# KiCad board crowkb_46.kicad_pcb (continued)
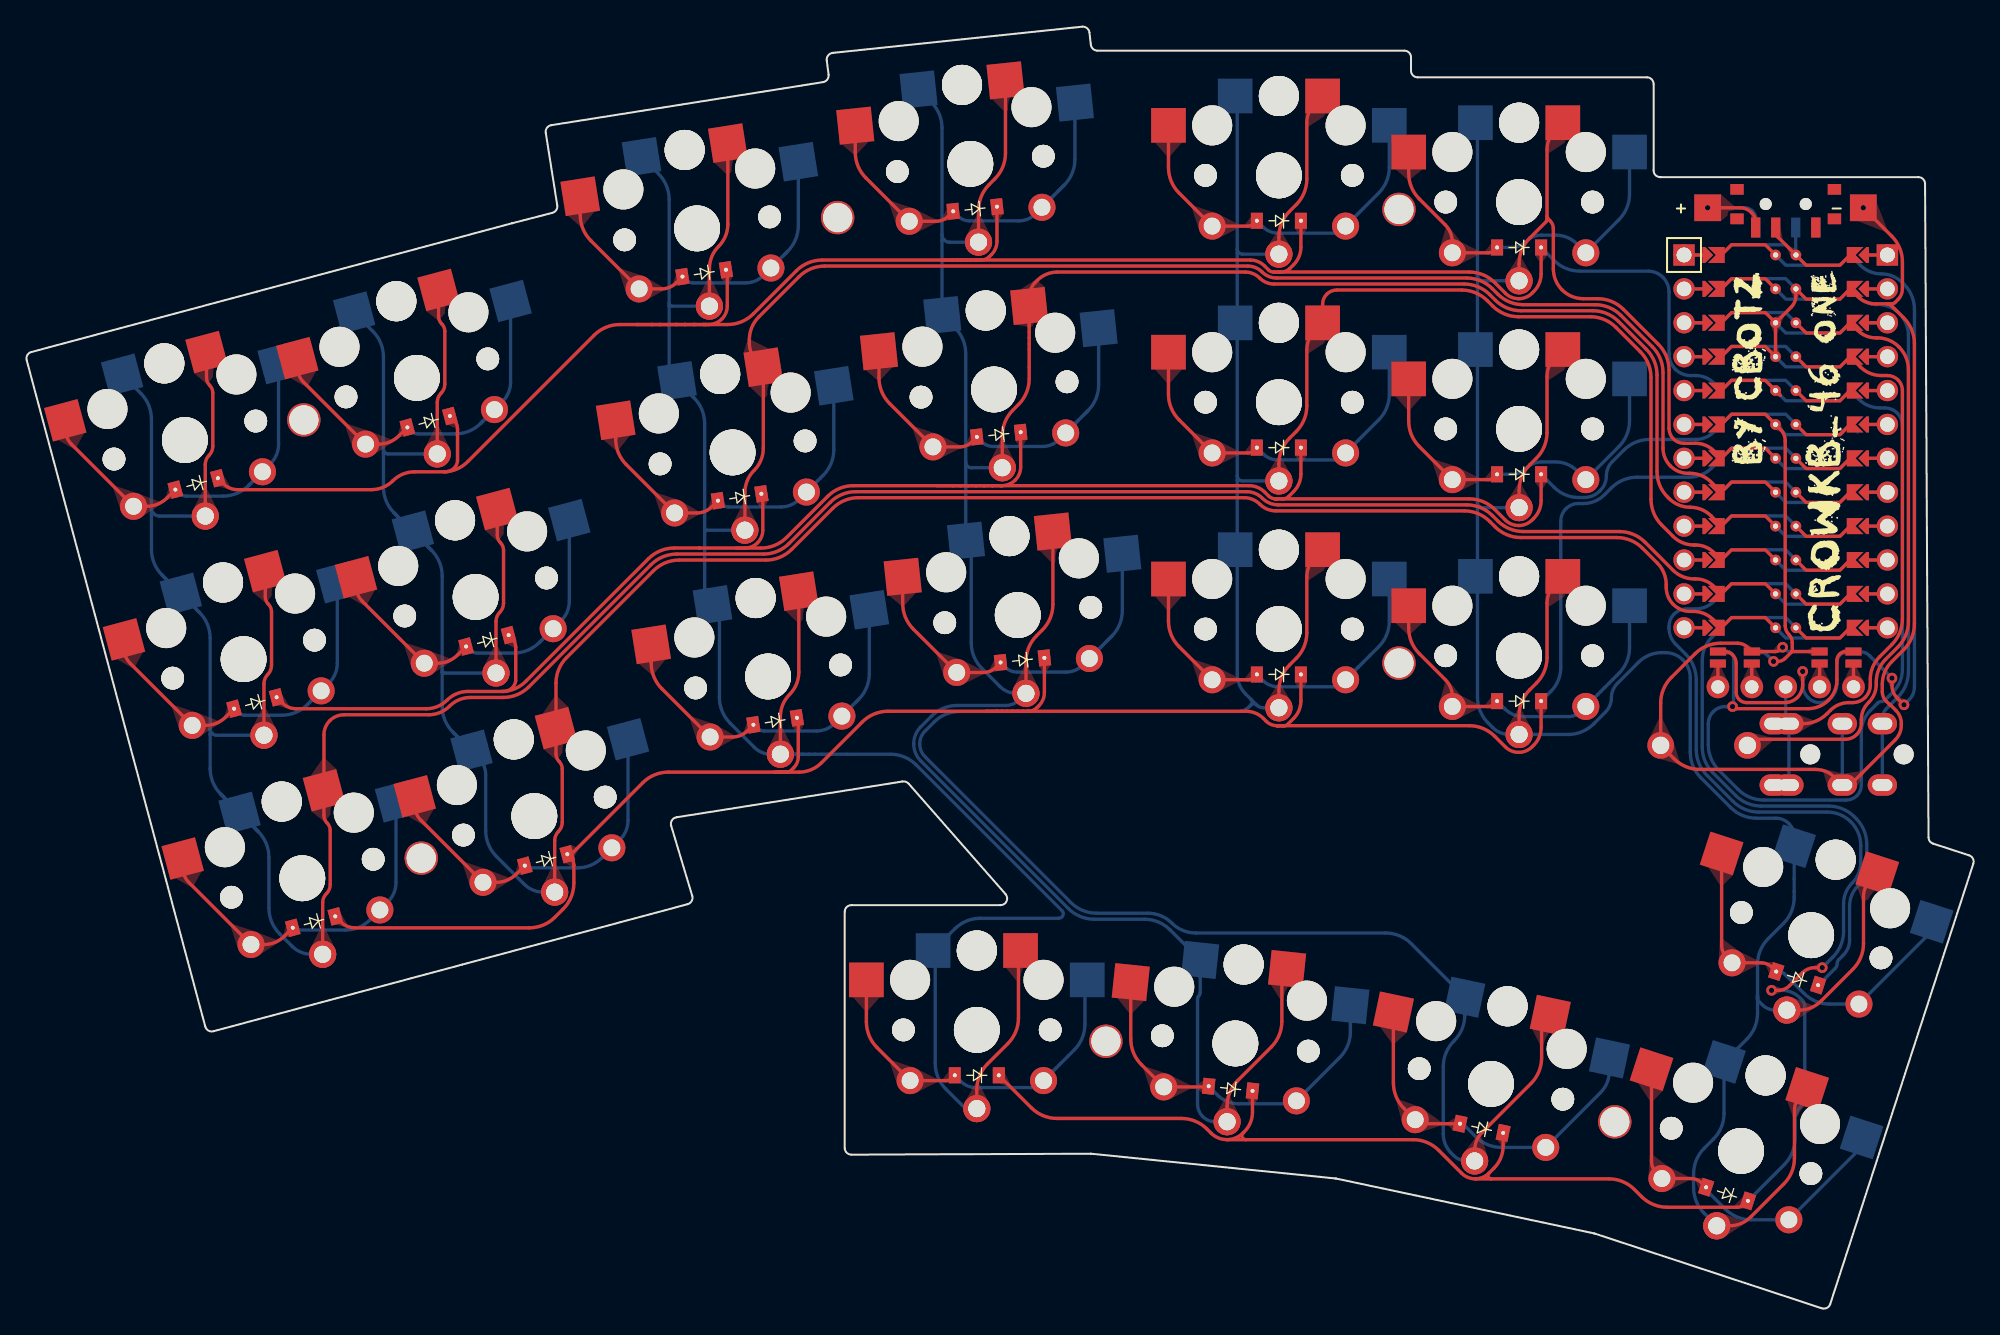
[diagram p0: board, top side]
## Routing (per net, layer and track width the routed paths; a pad name or vN(x,y) marks a point on that pad's centre or on a via; arc(x,y) is an arc through that point) (continued)
mod_bottom: length 27.7
  Top w0.25: _2.2 19.31,27.89 arc(18.62,27.43) 17.8,27.27 17.3,27.27 arc(16.84,27.36) 16.46,27.62 12.16,31.91 arc(11.81,32.43) 11.69,33.05 S1.2
  Bottom w0.25: _2.2 20.02,28.44 arc(20.12,28.37) 20.22,28.35 23.9,28.35 arc(24.88,28.55) 25.72,29.1 27.07,30.46 arc(27.52,31.13) 27.68,31.92 S1.2
mod_home: length 27.8
  Top w0.25: S2.2 7.29,49.47 arc(7.41,48.85) 7.76,48.33 11.74,44.35 arc(12.48,43.86) 13.35,43.69 13.4,43.69 arc(14.22,43.85) 14.91,44.31 _3.2
  Bottom w0.25: _3.2 15.78,44.7 arc(16.06,44.51) 16.38,44.45 19.11,44.45 arc(20.16,44.66) 21.04,45.25 S25.1 22.67,46.88 arc(23.12,47.55) 23.28,48.34 S2.2
mod_thumb: length 28.2
  Top w0.25: _20.2 69.35,17.27 arc(69.13,17.12) 68.87,17.07 S42.1 63.72,19.54 arc(63.13,20.43) 62.92,21.47 S19.2
  Bottom w0.25: _20.2 70.01,17 arc(70.52,16.66) 71.13,16.54 75.3,16.54 arc(75.65,16.61) 75.94,16.8 S42.1 78.5,19.37 arc(79.09,20.25) 79.3,21.29 79.3,24.32 arc(79.32,24.43) 79.39,24.53 S19.2
mod_top: length 27.8
  Top w0.25: S3.2 2.89,65.89 arc(3.01,65.28) 3.36,64.76 7.34,60.77 arc(8.08,60.28) 8.95,60.11 9,60.11 arc(9.82,60.27) 10.51,60.73 _4.2
  Bottom w0.25: S3.2 18.88,64.76 arc(18.72,63.97) 18.27,63.3 S26.1 16.64,61.67 arc(15.76,61.08) 14.71,60.87 11.98,60.87 arc(11.66,60.93) 11.38,61.12 _4.2
near_thumb: length 28
  Top w0.25: S20.2 82.73,20.19 arc(82.94,19.15) 83.53,18.26 S43.1 88.49,16.59 arc(88.53,16.6) 88.55,16.62 _21.2
  Bottom w0.25: _21.2 89.23,15.98 arc(89.96,15.5) 90.82,15.33 94.77,15.33 arc(94.91,15.36) 95.04,15.44 S43.1 98.4,18.8 arc(98.99,19.68) 99.19,20.72 S20.2
P0: length 40.4
  Bottom w0.25: _1.23 137.23,75.82 arc(137.88,75.38) 138.64,75.23 138.74,75.23 arc(139.59,75.06) 140.31,74.58 140.33,74.55 arc(140.84,73.8) 141.01,72.92 141.01,47.72 arc(140.8,46.67) 140.21,45.79 139.35,44.92 arc(139.13,44.6) 139.06,44.23 TRRS1.4 TRRS1.4
P1: length 62.4
  Top w0.25: DISP1.14 127.22,49.22 arc(127.56,49.15) 127.84,48.96 arc(128.03,48.68) 128.1,48.34 128.1,46.17 arc(128.16,45.88) 128.33,45.62 arc(128.58,45.46) 128.88,45.4 131.75,45.4 arc(132.26,45.5) 132.69,45.79 arc(132.98,46.22) 133.09,46.73 v1(133.09,47.73) ; v1(139.78,47.23) 139.78,46.68 arc(139.88,46.17) 140.17,45.74 v1(140.68,45.23)
  Bottom w0.25: v1(139.78,47.23) 138.1,48.91 arc(137.75,49.14) 137.34,49.22 136.49,49.22 arc(136.17,49.16) 135.9,48.98 arc(135.72,48.7) 135.65,48.38 135.65,46.78 arc(135.55,46.25) 135.25,45.8 135.19,45.74 arc(134.81,45.49) 134.36,45.4 arc(133.91,45.49) 133.53,45.74 133.48,45.79 arc(133.19,46.22) 133.09,46.73 v1(133.09,47.73) ; v1(140.68,45.23) 141.07,45.62 arc(141.36,46.06) 141.46,46.57 141.46,74.87 arc(141.26,75.88) 140.68,76.75 140.55,76.87 arc(139.83,77.36) 138.98,77.53 arc(138.13,77.7) 137.41,78.18 _1.24
P2: length 69.8
  Top w0.25: DISP1.17 136.32,49.22 arc(136.07,49.17) 135.85,49.02 arc(135.7,48.81) 135.65,48.55 135.65,47.1 arc(135.49,46.27) 135.02,45.57 arc(134.32,45.11) 133.49,44.94 128.1,44.94 arc(128,44.96) 127.91,45.02 v1(127.83,45.1) ; 131.42,68.42 _1.20
  Bottom w0.25: 126.9,49.22 127.06,49.22 ; v1(127.83,45.1) 127.87,45.14 arc(127.9,45.18) 127.91,45.24 127.91,48.72 arc(127.87,48.91) 127.76,49.07 arc(127.6,49.18) 127.41,49.22 DISP1.27 ; v1(127.83,45.1) 127.3,45.1 arc(126.81,45) 126.4,44.72 126.39,44.72 arc(126.11,44.3) 126.01,43.8 126.01,42.25 arc(126.22,41.21) 126.81,40.33 128.25,38.89 arc(129.13,38.3) 130.17,38.09 136.36,38.09 arc(136.79,38.18) 137.15,38.42 arc(137.4,38.79) 137.48,39.22 137.48,43.18 arc(137.66,44.06) 138.16,44.81 138.72,45.37 arc(138.84,45.45) 138.99,45.48 arc(139.14,45.51) 139.27,45.6 139.86,46.18 arc(140.38,46.96) 140.56,47.89 140.56,66.16 arc(140.46,66.67) 140.17,67.09 arc(139.75,67.38) 139.24,67.48 138.86,67.48 arc(138.01,67.65) 137.29,68.13 _1.20 ; v1(127.83,45.1) 127.73,44.99
P3: length 23.9
  Top w0.25: _1.19 131.42,65.88 arc(131.69,65.48) 131.78,65 131.78,51.15 arc(131.85,50.8) 132.04,50.51 arc(132.24,50.22) 132.31,49.87 132.31,49.26 arc(132.3,49.25) 132.3,49.23 ; v1(130.9,48.48) 131.22,48.48 arc(131.52,48.54) 131.77,48.71 132.27,49.21 ; 132.3,49.22 DISP1.16 ; 132.3,49.22 arc(132.29,49.22) 132.27,49.21 ; 132.3,49.22 arc(132.29,49.23) 132.3,49.23 ; 132.27,49.21 132.3,49.23
  Bottom w0.25: 137.2,65.68 _1.19 ; v1(130.9,48.48) 130.48,48.91 arc(130.13,49.14) 129.72,49.22 DISP1.26
P4: length 216.2
  Top w0.25: S22.1 132.95,15.97 arc(132.59,15.44) 132.47,14.82 132.47,11.25 arc(132.26,10.21) 131.67,9.32 129.2,6.85 arc(128.46,6.36) 127.59,6.18 S45.2 ; S46.2 132.84,22.35 arc(133.71,22.52) 134.45,23.02 136.85,25.41 arc(137.44,26.3) 137.65,27.34 137.65,30.85 arc(137.78,31.52) 138.16,32.09 S23.1 ; S16.1 114.52,54.27 arc(114.08,53.61) 113.93,52.84 113.93,48.78 arc(113.72,47.74) 113.13,46.85 112.63,46.35 arc(112.04,45.47) 111.84,44.43 S39.2 ; S18.1 114.52,88.27 arc(114.08,87.61) 113.93,86.84 113.93,81.84 ; 113.93,81.84 113.93,81.62 ; 113.93,81.84 arc(113.95,81.74) 114.01,81.65 ; S40.2 111.84,61.29 arc(112.04,62.33) 112.63,63.21 113.13,63.71 arc(113.72,64.59) 113.93,65.63 113.93,69.84 arc(114.08,70.61) 114.52,71.27 S17.1 ; 114.01,81.65 114.17,81.49 arc(114.34,81.23) 114.4,80.92 114.4,77.91 arc(114.57,77.05) 115.06,76.32 arc(115.79,75.84) 116.65,75.67 117.73,75.67 arc(118.77,75.46) 119.65,74.87 122.27,72.25 arc(122.86,71.36) 123.07,70.32 123.07,65.95 arc(123.16,65.52) 123.4,65.16 arc(123.77,64.91) 124.2,64.83 125.07,64.83 arc(125.8,64.68) 126.43,64.26 _1.18 ; 114.01,81.65 arc(113.96,81.66) 113.93,81.62 ; S41.2 111.84,78.29 arc(112.04,79.33) 112.63,80.21 113.85,81.43 arc(113.91,81.52) 113.93,81.62
  Bottom w0.25: 129.7,23.35 129.7,23.41 ; 129.7,23.35 129.7,23.29 ; 129.7,23.35 129.7,23.29 ; 129.7,23.35 129.7,23.41 ; 129.7,23.41 129.7,25.78 arc(129.91,26.82) 130.5,27.7 131.65,28.85 arc(132.24,29.73) 132.45,30.77 132.45,35.37 arc(132.34,35.89) 132.05,36.33 arc(131.61,36.63) 131.09,36.73 129.62,36.73 arc(128.58,36.94) 127.7,37.53 125.46,39.77 arc(124.87,40.65) 124.66,41.69 124.66,47.27 arc(124.52,47.99) 124.11,48.59 arc(123.51,49) 122.79,49.14 122.54,49.14 arc(121.59,48.95) 120.78,48.41 119.2,46.83 arc(118.87,46.34) 118.75,45.76 arc(118.64,45.17) 118.31,44.68 117.43,43.8 arc(116.55,43.21) 115.51,43.01 111.11,43.01 arc(110.43,43.14) 109.86,43.52 109.51,43.87 arc(108.92,44.75) 108.72,45.8 108.72,54.59 arc(108.7,54.69) 108.64,54.78 arc(108.61,54.86) 108.64,54.93 arc(108.7,55.02) 108.72,55.12 108.72,60.07 ; 129.7,23.41 129.7,23.53 ; 129.7,23.23 129.7,23.17 ; 129.7,23.23 129.7,23.29 ; 129.7,23.23 129.7,23.17 ; 129.7,23.23 129.7,23.29 ; 129.7,23.17 129.7,22.1 arc(129.5,21.06) 128.91,20.18 S22.1 127.19,14.61 arc(126.99,13.57) 126.4,12.68 125.71,11.99 arc(125.12,11.11) 124.91,10.07 124.91,9.05 arc(125.12,8) 125.71,7.12 S45.2 ; 129.7,23.17 arc(129.71,23.12) 129.75,23.07 130.08,22.73 arc(130.5,22.45) 131,22.35 S46.2 ; 108.72,77.07 108.72,77.39 ; 108.72,77.07 108.72,72.12 arc(108.7,72.02) 108.64,71.93 arc(108.61,71.86) 108.64,71.78 arc(108.7,71.69) 108.72,71.59 108.72,60.39 ; 108.72,77.07 arc(108.76,77.13) 108.83,77.12 ; 108.72,77.39 108.72,88.59 arc(108.7,88.69) 108.64,88.78 S18.1 ; 108.72,77.39 arc(108.74,77.24) 108.83,77.12 ; S41.2 109.1,77.01 arc(108.95,77.04) 108.83,77.12 ; S40.2 109.1,60.01 arc(108.95,60.04) 108.83,60.12 ; 108.72,60.07 108.72,60.39 ; 108.72,60.07 arc(108.76,60.13) 108.83,60.12 ; 108.72,60.39 arc(108.74,60.24) 108.83,60.12
P5: length 245.3
  Top w0.25: _1.17 126.23,61.92 arc(125.51,62.41) 124.65,62.58 124.51,62.58 arc(123.79,62.72) 123.18,63.13 arc(122.77,63.75) 122.62,64.47 122.62,70.14 arc(122.41,71.18) 121.82,72.06 119.47,74.42 arc(118.58,75.01) 117.54,75.22 112.16,75.22 arc(111.12,75.42) 110.23,76.01 109.83,76.42 arc(108.95,77.01) 107.9,77.22 93.67,77.22 arc(93.08,77.33) 92.58,77.66 arc(92.09,77.99) 91.5,78.11 59.8,78.11 arc(58.76,77.9) 57.87,77.31 54.86,74.31 arc(54.34,73.52) 54.15,72.59 54.15,72.32 arc(54.29,71.64) 54.68,71.06 arc(55.06,70.48) 55.2,69.79 55.2,64.46 arc(55.02,63.56) 54.51,62.8 arc(54,62.03) 53.82,61.13 S31.2 ; S30.2 56.48,44.34 arc(56.66,45.24) 57.17,46.01 arc(57.68,46.77) 57.86,47.67 S7.1 ; S9.1 52.54,81.26 arc(52.36,80.35) 51.85,79.59 arc(51.34,78.82) 51.16,77.92 S32.2 ; S42.2 71.2,16.39 arc(71.41,17.43) 72,18.31 73.52,19.84 arc(74.11,20.72) 74.32,21.76 74.32,26.55 arc(74.34,26.65) 74.4,26.74 S19.1
  Bottom w0.25: S42.2 70.77,14.97 arc(70.38,15.04) 70.05,15.27 68.88,16.44 arc(68.29,17.32) 68.08,18.36 68.08,26.55 arc(68.06,26.65) 68,26.74 arc(67.97,26.82) 68,26.89 69.54,28.43 arc(70.43,29.02) 71.47,29.23 77.34,29.23 arc(77.65,29.44) 77.58,29.8 66.65,40.73 arc(65.77,41.32) 64.73,41.53 S30.2 55.76,41.53 arc(55.1,41.66) 54.53,42.04 52.71,43.86 arc(52.12,44.75) 51.91,45.79 51.91,51.83 arc(51.84,52.17) 51.65,52.46 51.1,53.01 arc(50.88,53.34) 50.8,53.72 50.8,58.17 ; 50.8,58.29 50.8,58.17 ; 50.8,58.29 50.8,66.31 arc(50.6,67.35) 50.01,68.23 S8.1 48.44,69.8 arc(48.22,70.13) 48.14,70.51 48.14,75.14 ; 50.8,58.29 arc(50.82,58.27) 50.85,58.27 ; 50.8,58.17 arc(50.82,58.23) 50.85,58.27 ; 48.14,75.32 48.14,83.1 arc(47.94,84.14) 47.35,85.03 S9.1 ; 48.14,75.32 48.14,75.14 ; 48.14,75.32 arc(48.16,75.24) 48.21,75.17 ; 48.14,75.14 arc(48.17,75.18) 48.21,75.17 ; S32.2 48.35,75.11 arc(48.27,75.12) 48.21,75.17 ; S31.2 50.95,58.32 arc(50.9,58.31) 50.85,58.27
P6: length 224.3
  Top w0.25: S43.2 89.96,15.15 arc(90.16,16.19) 90.75,17.07 93.26,19.58 arc(93.85,20.46) 94.06,21.5 94.06,24.75 arc(94.11,25.01) 94.25,25.23 S20.1 ; S12.1 73.35,86.57 arc(73.14,85.53) 72.55,84.65 72.13,84.22 arc(71.54,83.34) 71.33,82.3 S35.2 ; S34.2 73.11,65.39 arc(73.31,66.43) 73.9,67.32 74.33,67.74 arc(74.92,68.62) 75.13,69.66 S11.1 75.13,75.78 arc(75.25,76.38) 75.59,76.89 75.74,77.05 arc(76.42,77.5) 77.23,77.66 91.32,77.66 arc(91.9,77.54) 92.4,77.21 arc(92.89,76.88) 93.48,76.77 107.72,76.77 arc(108.76,76.56) 109.64,75.97 110.05,75.56 arc(110.93,74.97) 111.97,74.77 117.35,74.77 arc(118.4,74.56) 119.28,73.97 121.37,71.87 arc(121.96,70.99) 122.17,69.95 122.17,62.7 arc(122.37,61.68) 122.95,60.82 123.08,60.69 arc(123.8,60.21) 124.65,60.04 arc(125.51,59.87) 126.23,59.38 _1.16 ; S10.1 76.9,52.76 arc(76.69,51.72) 76.11,50.83 75.68,50.41 arc(75.09,49.53) 74.88,48.49 S33.2
  Bottom w0.25: 68.59,80 68.59,80.46 ; 68.59,80 68.59,74.47 arc(68.59,74.46) 68.6,74.45 S11.1 69.57,73.48 arc(70.16,72.59) 70.37,71.55 70.37,63.4 ; 68.59,80 arc(68.65,80.09) 68.76,80.07 ; 68.59,80.46 68.59,88.46 arc(68.38,89.5) 67.8,90.38 S12.1 ; 68.59,80.46 arc(68.63,80.25) 68.76,80.07 ; S43.2 89.07,13.98 arc(88.56,14.08) 88.13,14.37 arc(87.84,14.8) 87.74,15.31 87.74,23.18 arc(87.77,23.31) 87.84,23.42 arc(87.91,23.53) 87.94,23.65 S20.1 85.68,28.37 arc(84.8,28.96) 83.76,29.16 79.98,29.16 arc(78.94,29.37) 78.06,29.96 67,41.02 arc(66.61,41.61) 66.47,42.3 arc(66.61,42.99) 67,43.58 67.81,44.38 arc(68.69,44.97) 69.73,45.18 73.33,45.18 arc(73.93,45.3) 74.43,45.63 arc(74.49,45.92) 74.24,46.09 74.17,46.09 arc(73.5,46.22) 72.94,46.6 71.58,47.96 arc(70.99,48.84) 70.78,49.88 70.78,56.86 arc(70.73,57.12) 70.58,57.33 S10.1 70.38,57.54 arc(70.37,57.55) 70.37,57.56 70.37,63.06 ; 70.37,63.06 70.37,63.4 ; 70.37,63.06 arc(70.41,63.13) 70.49,63.11 ; 70.37,63.4 arc(70.4,63.24) 70.49,63.11 ; S35.2 69.15,79.9 arc(68.94,79.95) 68.76,80.07 ; S34.2 70.77,63 arc(70.62,63.03) 70.49,63.11
P7: length 243.2
  Top w0.25: S21.1 113.85,21.63 arc(113.61,21.27) 113.52,20.85 113.52,18.77 arc(113.32,17.73) 112.73,16.85 109.07,13.19 arc(108.65,12.57) 108.51,11.84 S44.2 ; S37.2 93.84,63.29 arc(94.04,64.33) 94.63,65.21 95.13,65.71 arc(95.72,66.59) 95.93,67.63 95.93,71.84 arc(96.08,72.61) 96.52,73.27 arc(96.96,73.92) 97.11,74.69 97.11,75.25 arc(97.19,75.66) 97.42,76 arc(97.77,76.23) 98.18,76.32 107.53,76.32 arc(108.57,76.11) 109.46,75.52 109.86,75.11 arc(110.74,74.52) 111.79,74.32 117.17,74.32 arc(118.21,74.11) 119.09,73.52 120.92,71.69 arc(121.51,70.8) 121.72,69.76 121.72,60.63 arc(121.93,59.59) 122.52,58.71 123.37,57.86 arc(124.09,57.38) 124.94,57.21 125.07,57.21 arc(125.8,57.06) 126.43,56.64 _1.15 ; S38.2 93.84,80.29 arc(94.04,81.33) 94.63,82.21 95.13,82.71 arc(95.72,83.59) 95.93,84.63 95.93,88.84 arc(96.08,89.61) 96.52,90.27 S15.1 ; S36.2 93.84,46.29 arc(94.04,47.33) 94.63,48.21 95.13,48.71 arc(95.72,49.59) 95.93,50.63 95.93,54.84 arc(96.08,55.61) 96.52,56.27 S13.1
  Bottom w0.25: 90.72,79.39 90.72,79.07 ; 90.72,79.39 90.72,90.59 arc(90.7,90.69) 90.64,90.78 S15.1 ; 90.72,79.39 arc(90.74,79.24) 90.83,79.12 ; 90.72,79.07 90.72,74.12 arc(90.7,74.02) 90.64,73.93 arc(90.61,73.86) 90.64,73.78 arc(90.7,73.69) 90.72,73.59 90.72,62.39 ; 90.72,79.07 arc(90.76,79.13) 90.83,79.12 ; 91.74,45.22 91.6,45.08 arc(91.22,44.82) 90.76,44.73 69.92,44.73 arc(68.88,44.52) 67.99,43.93 67.32,43.26 arc(67.02,42.82) 66.92,42.3 arc(67.02,41.78) 67.32,41.34 78.25,30.41 arc(79.13,29.82) 80.17,29.61 84.02,29.61 arc(84.99,29.42) 85.81,28.87 arc(86.63,28.32) 87.6,28.13 101.82,28.13 arc(102.87,27.92) 103.75,27.33 107.26,23.82 arc(107.63,23.26) 107.77,22.6 ; 91.74,45.22 arc(91.95,45.31) 92.17,45.22 ; 91.74,45.22 arc(91.83,45.43) 91.74,45.64 ; S36.2 92.68,45.01 arc(92.4,45.06) 92.17,45.22 ; 91.74,45.64 91.33,46.05 arc(90.88,46.73) 90.72,47.54 90.72,56.59 arc(90.7,56.69) 90.64,56.78 arc(90.61,56.86) 90.64,56.93 arc(90.7,57.02) 90.72,57.12 90.72,62.07 ; 91.74,45.64 92.17,45.22 ; 90.72,62.07 90.72,62.39 ; 90.72,62.07 arc(90.76,62.13) 90.83,62.12 ; 90.72,62.39 arc(90.74,62.24) 90.83,62.12 ; S37.2 91.1,62.01 arc(90.95,62.04) 90.83,62.12 ; S38.2 91.1,79.01 arc(90.95,79.04) 90.83,79.12 ; S21.1 107.77,21.97 arc(107.56,20.93) 106.97,20.05 106.95,20.03 arc(106.36,19.14) 106.15,18.1 106.15,13.07 arc(106.31,12.29) 106.75,11.64 106.93,11.46 arc(107.38,11.15) 107.92,11.04 S44.2
P8: length 215.2
  Top w0.25: _1.14 126.43,54.1 arc(125.8,54.52) 125.07,54.67 124.94,54.67 arc(124.09,54.84) 123.37,55.32 121.27,57.42 arc(120.39,58.01) 119.34,58.22 112.16,58.22 arc(111.12,58.42) 110.23,59.01 109.83,59.42 arc(108.95,60.01) 107.9,60.22 93.79,60.22 arc(93.15,60.34) 92.6,60.71 arc(92.05,61.08) 91.41,61.2 62.14,61.2 arc(61.1,61) 60.22,60.41 57.13,57.32 arc(56.25,56.73) 55.21,56.53 48.71,56.53 arc(47.66,56.32) 46.78,55.73 37.63,46.58 arc(36.75,45.99) 35.71,45.78 33.26,45.78 arc(32.41,45.61) 31.69,45.13 arc(30.97,44.65) 30.13,44.48 23.78,44.48 arc(23.2,44.37) 22.72,44.04 arc(22.39,43.56) 22.28,42.98 S1.1 22.28,36.94 arc(22.34,36.63) 22.51,36.37 arc(22.69,36.11) 22.75,35.8 22.75,31.76 arc(22.67,31.39) 22.46,31.08 arc(22.25,30.77) 22.18,30.4 S24.2 ; S26.2 13.38,63.24 arc(13.45,63.61) 13.66,63.92 arc(13.87,64.24) 13.95,64.61 13.95,68.6 arc(13.89,68.91) 13.71,69.17 arc(13.54,69.43) 13.48,69.74 S3.1 ; S2.1 17.88,53.34 arc(17.94,53.03) 18.11,52.77 arc(18.29,52.51) 18.35,52.2 18.35,48.18 arc(18.27,47.81) 18.06,47.5 arc(17.85,47.19) 17.78,46.82 S25.2
  Bottom w0.25: 9.35,59.48 9.35,56.88 arc(9.56,55.84) 10.14,54.96 12.95,52.15 arc(13.54,51.27) 13.75,50.23 13.75,43.43 ; 9.35,59.48 9.35,59.98 ; 9.35,59.48 arc(9.41,59.57) 9.53,59.55 ; 9.35,59.98 9.35,66.65 arc(9.14,67.69) 8.55,68.57 S3.1 ; 9.35,59.98 arc(9.39,59.75) 9.53,59.55 ; 13.75,43.03 13.75,43.43 ; 13.75,43.03 13.75,40.46 arc(13.96,39.42) 14.54,38.54 17.36,35.72 arc(17.95,34.84) 18.15,33.8 18.15,30 arc(18.36,28.96) 18.95,28.07 19.9,27.13 arc(20.56,26.69) 21.34,26.53 S24.2 ; 13.75,43.03 arc(13.8,43.11) 13.89,43.09 ; 13.75,43.43 arc(13.78,43.25) 13.89,43.09 ; S25.2 14.22,42.95 arc(14.04,42.99) 13.89,43.09 ; S26.2 9.96,59.37 arc(9.72,59.42) 9.53,59.55
P9: length 197.2
  Top w0.25: S5.1 35.26,57.95 arc(35.32,57.65) 35.5,57.39 arc(35.67,57.13) 35.73,56.82 35.73,52.84 arc(35.66,52.47) 35.45,52.16 arc(35.24,51.85) 35.17,51.48 S28.2 ; S29.2 30.77,67.9 arc(30.84,68.27) 31.05,68.58 arc(31.26,68.89) 31.33,69.26 31.33,73.22 arc(31.27,73.53) 31.1,73.79 arc(30.92,74.05) 30.86,74.35 S6.1 ; _1.13 126.38,51.62 arc(125.7,52.07) 124.89,52.23 124.66,52.23 arc(123.97,52.37) 123.39,52.76 arc(123,53.34) 122.86,54.03 122.86,54.24 arc(122.69,55.12) 122.19,55.86 121.08,56.97 arc(120.2,57.56) 119.16,57.77 111.97,57.77 arc(110.93,57.97) 110.05,58.56 109.64,58.97 arc(108.76,59.56) 107.72,59.77 93.61,59.77 arc(92.96,59.89) 92.41,60.26 arc(91.87,60.63) 91.22,60.75 62.33,60.75 arc(61.29,60.55) 60.4,59.96 57.32,56.87 arc(56.44,56.28) 55.39,56.08 48.89,56.08 arc(47.85,55.87) 46.97,55.28 40.46,48.77 arc(39.87,47.89) 39.66,46.85 S4.1 39.66,41.55 arc(39.72,41.25) 39.9,40.99 arc(40.07,40.73) 40.13,40.42 40.13,36.42 arc(40.06,36.05) 39.85,35.74 arc(39.64,35.43) 39.57,35.06 S27.2
  Bottom w0.25: S28.2 31.34,47.61 arc(31.26,47.63) 31.19,47.67 ; S29.2 27.07,64.03 arc(26.94,64.06) 26.83,64.13 ; 31.13,47.82 31.13,47.65 ; 31.13,47.82 31.13,54.88 arc(30.93,55.93) 30.34,56.81 27.53,59.61 arc(26.94,60.5) 26.73,61.54 26.73,64.09 ; 31.13,47.82 arc(31.15,47.74) 31.19,47.67 ; 31.13,47.65 31.13,45.12 arc(31.34,44.08) 31.93,43.19 33.87,41.26 arc(34.26,40.67) 34.4,39.98 34.4,35.8 arc(34.6,34.76) 35.19,33.87 37.28,31.79 arc(37.94,31.35) 38.72,31.19 S27.2 ; 31.13,47.65 arc(31.16,47.68) 31.19,47.67 ; 26.73,64.09 26.73,64.37 ; 26.73,64.09 arc(26.77,64.14) 26.83,64.13 ; 26.73,64.37 26.73,71.31 arc(26.53,72.35) 25.94,73.23 S6.1 ; 26.73,64.37 arc(26.76,64.24) 26.83,64.13
P10: length 38
  Bottom w0.25: 134.25,24.22 134.37,24.22 ; 134.25,24.22 134.26,24.22 arc(134.26,24.22) 134.27,24.23 134.27,24.23 arc(134.28,24.24) 134.29,24.24 135.53,25.49 arc(135.64,25.64) 135.67,25.82 arc(135.71,26) 135.81,26.15 136.14,26.48 arc(136.48,26.99) 136.6,27.6 136.6,30.13 arc(136.77,30.97) 137.25,31.69 arc(137.72,32.4) 137.89,33.24 137.89,34.78 arc(137.68,35.82) 137.09,36.7 136.95,36.84 arc(136.07,37.43) 135.03,37.64 129.98,37.64 arc(128.94,37.85) 128.06,38.44 126.36,40.14 arc(125.77,41.02) 125.56,42.06 125.56,48.56 arc(125.75,49.5) 126.28,50.29 _1.12 ; 134.25,24.22 arc(134.25,24.22) 134.25,24.23 ; 134.25,24.22 arc(134.25,24.22) 134.25,24.23 ; 134.25,24.23 134.61,24.58
P16: length 134.8
  Top w0.25: _20.1 75.29,15.03 arc(76.17,14.44) 77.21,14.23 86.53,14.23 arc(87.57,14.02) 88.45,13.44 88.74,13.14 arc(89.3,12.77) 89.95,12.64 ; _23.1 128.75,7.81 arc(128.49,7.64) 128.18,7.58 122.94,7.58 arc(121.89,7.78) 121.01,8.37 120.48,8.91 arc(119.59,9.5) 118.55,9.7 109.75,9.7 ; 109.75,9.7 108.55,9.7 ; 109.75,9.7 arc(109.52,9.86) 109.58,10.13 ; v1(130.75,23.83) 131.25,23.83 arc(131.72,23.92) 132.11,24.18 133.06,25.14 arc(133.49,25.43) 134,25.53 v1(134.55,25.53) ; 109.58,10.13 109.95,10.5 arc(110.46,11.26) 110.64,12.17 _22.1 ; 109.58,10.13 arc(109.11,9.81) 108.55,9.7 ; 91.15,13.14 91.26,13.24 arc(91.7,13.91) 91.86,14.7 _21.1 ; 91.15,13.14 arc(91.09,12.82) 91.36,12.64 ; 91.15,13.14 arc(90.6,12.77) 89.95,12.64 ; 108.55,9.7 arc(108,9.81) 107.52,10.13 105.81,11.84 arc(104.93,12.43) 103.89,12.64 91.36,12.64 ; 91.36,12.64 89.95,12.64
  Bottom w0.25: _1.11 126.43,52.98 arc(125.8,52.56) 125.07,52.42 124.38,52.42 arc(123.88,52.32) 123.46,52.03 arc(123.17,51.61) 123.07,51.11 123.07,50.96 arc(123.2,50.32) 123.56,49.78 124.31,49.03 arc(124.9,48.14) 125.11,47.1 125.11,41.88 arc(125.32,40.84) 125.91,39.95 127.87,37.99 arc(128.76,37.4) 129.8,37.19 134.92,37.19 arc(135.89,37) 136.7,36.45 arc(137.25,35.64) 137.44,34.67 137.44,33.43 arc(137.27,32.59) 136.8,31.87 arc(136.32,31.16) 136.15,30.32 136.15,28.26 arc(135.95,27.22) 135.36,26.33 v1(134.55,25.53) ; _23.1 131.71,10.77 arc(132.3,11.65) 132.51,12.69 132.51,14.16 arc(132.6,14.64) 132.87,15.05 arc(133.15,15.46) 133.24,15.94 133.24,22.64 arc(133.19,22.89) 133.06,23.09 132.87,23.28 arc(132.26,23.69) 131.54,23.83 v1(130.75,23.83)
P19: length 149.2
  Top w0.25: 93.86,43.67 93.77,43.67 ; 93.86,43.67 94.03,43.67 ; 93.86,43.67 94.03,43.67 ; 93.86,43.67 93.77,43.67 ; 93.77,43.67 93.73,43.67 ; 93.77,43.67 93.73,43.67 ; 94.27,43.67 94.15,43.67 ; 94.27,43.67 94.15,43.67 ; 94.27,43.67 108.09,43.67 arc(109.13,43.46) 110.02,42.87 110.8,42.08 arc(111.26,41.77) 111.81,41.67 arc(112.35,41.77) 112.81,42.08 112.94,42.21 arc(113.34,42.82) 113.49,43.53 _17.1 ; 94.27,43.67 arc(94.38,43.69) 94.48,43.75 94.94,44.21 arc(95.34,44.82) 95.49,45.53 _14.1 ; 94.15,43.67 94.03,43.67 ; 94.15,43.67 94.03,43.67 ; 73.87,44.75 73.47,44.75 ; 73.87,44.75 74.26,44.75 ; 73.87,44.75 73.47,44.75 ; 73.87,44.75 74.26,44.75 ; 73.47,44.75 73.08,44.75 ; 73.47,44.75 73.08,44.75 ; 73.08,44.75 72.69,44.75 ; 73.08,44.75 72.69,44.75 ; 74.26,44.75 74.65,44.75 ; 74.26,44.75 74.65,44.75 ; 74.65,44.75 75.05,44.75 ; 74.65,44.75 75.05,44.75 ; 56.65,40.19 56.53,40.19 ; 56.65,40.19 56.78,40.19 ; 56.65,40.19 56.78,40.19 ; 56.65,40.19 56.53,40.19 ; 56.53,40.19 56.4,40.19 ; 56.53,40.19 56.4,40.19 ; 56.03,40.19 48.09,40.19 arc(47.05,39.98) 46.17,39.39 40.92,34.14 arc(40.8,34.06) 40.66,34.03 arc(40.61,33.99) 40.62,33.93 40.76,33.79 arc(40.94,33.52) 41,33.2 41,31.86 arc(40.8,30.82) 40.21,29.93 39.58,29.31 arc(38.7,28.72) 37.66,28.51 24.6,28.51 arc(24.03,28.63) 23.56,28.94 _2.1 ; 56.03,40.19 56.28,40.19 ; 56.03,40.19 56.28,40.19 ; 71.9,44.75 72.69,44.75 ; 71.9,44.75 64.55,44.75 arc(63.51,44.54) 62.62,43.95 59.55,40.88 arc(58.78,40.37) 57.88,40.19 57.03,40.19 ; 71.9,44.75 72.69,44.75 ; 56.4,40.19 56.28,40.19 ; 56.4,40.19 56.28,40.19 ; 75.05,44.75 91.37,44.75 arc(92.08,44.61) 92.68,44.21 92.89,44 arc(93.25,43.75) 93.69,43.67 93.69,43.67 ; 75.05,44.75 arc(75.41,44.82) 75.72,45.03 75.85,45.16 arc(76.16,45.62) 76.26,46.15 _11.1 ; 93.69,43.67 93.71,43.67 ; 93.69,43.67 93.71,43.67 ; 93.71,43.67 93.73,43.67 ; 93.71,43.67 93.73,43.67 ; 56.78,40.19 56.9,40.19 ; 56.78,40.19 56.9,40.19 ; 56.9,40.19 57.03,40.19 ; 56.9,40.19 57.03,40.19 ; 57.03,40.19 arc(57.14,40.21) 57.24,40.27 57.49,40.52 arc(57.73,40.89) 57.82,41.33 57.82,44.08 arc(57.81,44.15) 57.77,44.2 _8.1
  Bottom w0.25: _17.1 114.22,46.24 arc(114.77,47.06) 114.96,48.02 114.96,58.98 arc(115.06,59.49) 115.35,59.93 arc(115.78,60.21) 116.29,60.32 116.66,60.32 arc(117.51,60.48) 118.23,60.97 118.75,61.49 arc(119.64,62.08) 120.68,62.29 124.57,62.29 arc(125.5,62.47) 126.28,62.99 _1.7
P20: length 147.4
  Top w0.25: 93.6,60.67 93.6,60.67 ; 93.6,60.67 93.6,60.67 ; 93.6,60.67 93.6,60.67 ; 93.6,60.67 93.6,60.67 ; 93.6,60.67 93.62,60.67 ; 93.6,60.67 93.62,60.67 ; _6.1 36.38,50.19 arc(36.58,49.89) 36.65,49.54 36.65,47.04 arc(36.35,46.47) 35.65,46.23 ; 93.59,60.67 93.6,60.67 ; 93.59,60.67 93.6,60.67 ; 93.59,60.67 93.59,60.67 arc(93.3,60.72) 93.06,60.89 92.79,61.16 arc(92.24,61.53) 91.59,61.65 72.99,61.65 ; 73.03,61.65 72.38,61.65 ; 73.03,61.65 73.08,61.65 arc(73.62,61.76) 74.07,62.07 arc(74.38,62.52) 74.49,63.06 _12.1 ; 73.03,61.65 arc(73.01,61.65) 72.99,61.65 ; 72.38,61.65 71.76,61.65 ; 72.38,61.65 arc(72.37,61.65) 72.36,61.65 ; 72.36,61.65 72.99,61.65 ; 72.36,61.65 71.75,61.65 ; 71.75,61.65 71.15,61.65 ; 71.75,61.65 arc(71.76,61.65) 71.76,61.65 ; 71.15,61.65 70.56,61.65 ; 71.15,61.65 arc(71.16,61.65) 71.16,61.65 ; 93.69,60.67 94.15,60.67 ; 93.69,60.67 93.64,60.67 ; 93.69,60.67 93.64,60.67 ; 93.69,60.67 94.15,60.67 ; 94.15,60.67 108.09,60.67 arc(109.13,60.46) 110.02,59.87 110.8,59.08 arc(111.26,58.77) 111.81,58.67 arc(112.35,58.77) 112.81,59.08 112.94,59.21 arc(113.34,59.82) 113.49,60.53 _18.1 ; 94.15,60.67 arc(94.37,60.71) 94.56,60.84 94.94,61.21 arc(95.34,61.82) 95.49,62.53 _15.1 ; 69.98,61.65 70.57,61.65 ; 69.98,61.65 69.39,61.65 ; 69.98,61.65 arc(69.98,61.65) 69.98,61.65 ; 70.57,61.65 71.16,61.65 ; 70.57,61.65 arc(70.57,61.65) 70.56,61.65 ; 35.65,46.23 33.07,46.23 arc(32.22,46.06) 31.5,45.58 arc(30.79,45.1) 29.94,44.93 20.2,44.93 arc(19.63,45.05) 19.16,45.36 _3.1 ; 35.65,46.23 arc(36.59,46.44) 37.44,47.03 46.6,56.18 arc(47.48,56.77) 48.52,56.98 50.4,56.98 arc(50.4,56.98) 50.4,56.98 50.41,56.98 arc(50.41,56.98) 50.41,56.98 55.02,56.98 arc(56.06,57.18) 56.95,57.77 60.03,60.86 arc(60.91,61.45) 61.95,61.65 68.22,61.65 ; 70.56,61.65 69.98,61.65 ; 68.22,61.65 69.39,61.65 ; 68.22,61.65 69.39,61.65 ; 93.64,60.67 93.62,60.67 ; 93.64,60.67 93.62,60.67 ; 69.39,61.65 69.98,61.65 ; 69.39,61.65 arc(69.39,61.65) 69.39,61.65 ; 53.15,56.98 53.82,56.98 arc(54.33,57.08) 54.77,57.37 arc(55.06,57.8) 55.16,58.32 55.16,60.87 arc(55.15,60.94) 55.11,60.99 _9.1 ; 71.76,61.65 71.16,61.65
  Bottom w0.25: _18.1 114.46,61.53 arc(115.31,60.96) 116.31,60.77 116.7,60.77 arc(117.34,60.89) 117.88,61.26 117.93,61.3 arc(118.26,61.8) 118.38,62.38 arc(118.49,62.96) 118.82,63.45 119.69,64.32 arc(120.57,64.91) 121.61,65.12 125.07,65.12 arc(125.8,65.26) 126.43,65.68 _1.6
P21: length 159.2
  Top w0.25: 70.06,78.56 70.42,78.56 ; 70.06,78.56 69.69,78.56 ; 70.06,78.56 69.69,78.56 ; 70.06,78.56 70.42,78.56 ; 70.42,78.56 70.79,78.56 ; 70.42,78.56 70.79,78.56 ; 93.87,77.67 94.02,77.67 arc(94.36,77.73) 94.65,77.93 94.94,78.21 arc(95.34,78.82) 95.49,79.53 _16.1 ; 93.87,77.67 93.44,77.67 ; 93.87,77.67 93.44,77.67 ; 93.87,77.67 108.09,77.67 arc(109.13,77.46) 110.02,76.87 110.8,76.08 arc(111.26,75.77) 111.81,75.67 arc(112.35,75.77) 112.81,76.08 112.94,76.21 arc(113.34,76.82) 113.49,77.53 _19.1 ; 69.32,78.56 69.69,78.56 ; 69.32,78.56 68.59,78.56 ; 69.32,78.56 69.69,78.56 ; 69.32,78.56 68.59,78.56 ; _7.1 32,66.59 arc(32.21,66.27) 32.29,65.9 32.29,63.5 arc(31.99,62.93) 31.29,62.69 ; 47.47,73.73 46.88,73.73 ; 47.47,73.73 48.06,73.73 ; 47.47,73.73 arc(47.47,73.73) 47.47,73.73 ; 46.88,73.73 45.7,73.73 ; 46.88,73.73 arc(46.88,73.73) 46.87,73.73 ; 70.79,78.56 71.15,78.56 ; 70.79,78.56 71.15,78.56 ; 71.15,78.56 71.52,78.56 ; 71.15,78.56 71.52,78.56 ; 50.74,73.73 52.53,73.73 arc(53.57,73.94) 54.45,74.53 57.69,77.76 arc(58.57,78.35) 59.61,78.56 68.59,78.56 ; 50.74,73.73 49.98,73.73 ; 50.74,73.73 arc(50.83,73.73) 50.92,73.73 ; 49.98,73.73 49.3,73.73 ; 49.98,73.73 arc(50.02,73.73) 50.06,73.73 ; 49.3,73.73 48.67,73.73 ; 49.3,73.73 arc(49.32,73.73) 49.35,73.73 ; 93.44,77.67 arc(93.23,77.71) 93.06,77.82 92.77,78.11 arc(92.27,78.44) 91.69,78.56 71.52,78.56 ; 48.67,73.73 48.07,73.73 ; 48.67,73.73 arc(48.68,73.73) 48.69,73.73 ; 71.52,78.56 arc(71.86,78.63) 72.14,78.82 72.3,78.97 arc(72.6,79.43) 72.71,79.97 _13.1 ; 50.92,73.73 51.1,73.73 arc(51.64,73.84) 52.09,74.14 arc(52.39,74.6) 52.5,75.13 52.5,77.66 arc(52.49,77.73) 52.45,77.78 _10.1 ; 50.92,73.73 50.06,73.73 ; 45.7,73.73 46.87,73.73 ; 45.7,73.73 44.45,73.73 arc(43.41,73.52) 42.53,72.93 33.08,63.49 arc(32.23,62.9) 31.29,62.69 ; 48.07,73.73 47.47,73.73 ; 48.07,73.73 arc(48.07,73.73) 48.06,73.73 ; 47.47,73.73 46.87,73.73 ; 48.06,73.73 48.69,73.73 ; 48.69,73.73 49.35,73.73 ; 50.06,73.73 49.35,73.73 ; 31.29,62.69 29.06,62.69 arc(28.19,62.52) 27.45,62.02 arc(26.71,61.53) 25.83,61.35 15.8,61.35 arc(15.23,61.47) 14.76,61.78 _4.1
  Bottom w0.25: _1.5 126.43,69.34 arc(125.8,69.76) 125.07,69.91 124.69,69.91 arc(124.07,70.03) 123.55,70.38 arc(123.19,70.91) 123.07,71.53 123.07,76.16 arc(122.95,76.76) 122.61,77.27 arc(122.1,77.61) 121.5,77.73 116.39,77.73 arc(115.35,77.94) 114.47,78.53 _19.1
pinky_bottom: length 27.6
  Top w0.25: S4.2 29.08,37.71 arc(29.2,37.09) 29.55,36.57 33.53,32.59 arc(34.27,32.1) 35.13,31.92 35.19,31.92 arc(36.01,32.09) 36.7,32.55 _5.2
  Bottom w0.25: _5.2 37.41,33.09 arc(37.5,33.03) 37.61,33.01 41.29,33.01 arc(42.27,33.21) 43.1,33.76 44.46,35.12 arc(44.91,35.79) 45.06,36.58 S4.2
pinky_home: length 27.9
  Top w0.25: _6.2 32.3,48.97 arc(31.61,48.51) 30.79,48.35 30.29,48.35 arc(29.83,48.44) 29.44,48.7 25.15,52.99 arc(24.8,53.51) 24.68,54.13 S5.2
  Bottom w0.25: S5.2 40.66,53 arc(40.51,52.21) 40.06,51.54 S28.1 38.43,49.91 arc(37.54,49.32) 36.5,49.11 33.76,49.11 arc(33.44,49.17) 33.17,49.35 _6.2
pinky_top: length 27.9
  Top w0.25: S6.2 20.28,70.55 arc(20.4,69.93) 20.75,69.41 25.04,65.12 arc(25.43,64.86) 25.89,64.77 26.39,64.77 arc(27.21,64.93) 27.9,65.39 _7.2
  Bottom w0.25: S6.2 36.26,69.42 arc(36.11,68.63) 35.66,67.96 34.03,66.33 arc(33.14,65.74) 32.1,65.53 29.36,65.53 arc(29.04,65.59) 28.77,65.77 _7.2
RAW: length 4.7
  Top w0.25: PWR1.2 131.07,80.73 arc(131.12,80.47) 131.26,80.26 _1.1
  Bottom w0.25: _1.1 132.57,78.95 arc(132.57,78.95) 132.57,78.96 PWR1.2
ring_bottom: length 28.1
  Top w0.25: S7.2 46.8,48.36 arc(47,47.32) 47.59,46.44 S30.1 52.89,42.82 arc(53.49,42.94) 54,43.28 _8.2
  Bottom w0.25: S7.2 63.14,47.56 arc(62.94,46.52) 62.35,45.64 S30.1 60.53,43.82 arc(59.91,43.41) 59.18,43.27 55.26,43.27 arc(54.96,43.33) 54.69,43.5 _8.2
ring_home: length 28.1
  Top w0.25: _9.2 51.34,60.07 arc(50.83,59.73) 50.23,59.61 S31.1 44.93,63.23 arc(44.34,64.11) 44.14,65.15 S8.2
  Bottom w0.25: _9.2 52.04,60.29 arc(52.3,60.12) 52.6,60.06 56.52,60.06 arc(57.25,60.2) 57.87,60.62 S31.1 59.69,62.43 arc(60.28,63.31) 60.48,64.35 S8.2
ring_top: length 28.1
  Top w0.25: _10.2 48.68,76.86 arc(48.17,76.52) 47.57,76.4 S32.1 42.27,80.02 arc(41.69,80.9) 41.48,81.94 S9.2
  Bottom w0.25: S9.2 57.82,81.15 arc(57.62,80.1) 57.03,79.22 55.21,77.41 arc(54.59,76.99) 53.86,76.85 49.95,76.85 arc(49.64,76.91) 49.38,77.08 _10.2
RST: length 43.1
  Top w0.25: RST1.1 129.17,42.42 arc(129.42,42.59) 129.72,42.65 136.28,42.65 arc(136.74,42.74) 137.13,43 arc(137.39,43.39) 137.48,43.85 137.48,44.1 arc(137.62,44.8) 138.01,45.39 138.04,45.42 arc(138.46,46.04) 138.6,46.77 138.6,46.96 arc(138.78,47.87) 139.3,48.63 140.21,49.55 arc(140.8,50.43) 141.01,51.48 141.01,70.35 arc(140.83,71.26) 140.31,72.03 140.27,72.08 arc(139.55,72.56) 138.7,72.73 138.57,72.73 arc(137.83,72.88) 137.21,73.3 _1.3

Small or netless copper shapes (teardrops, artwork), in the pictures only: 226 on Top, 220 on Bottom
